# Allegro board LAY-27392_C.brd (continued)
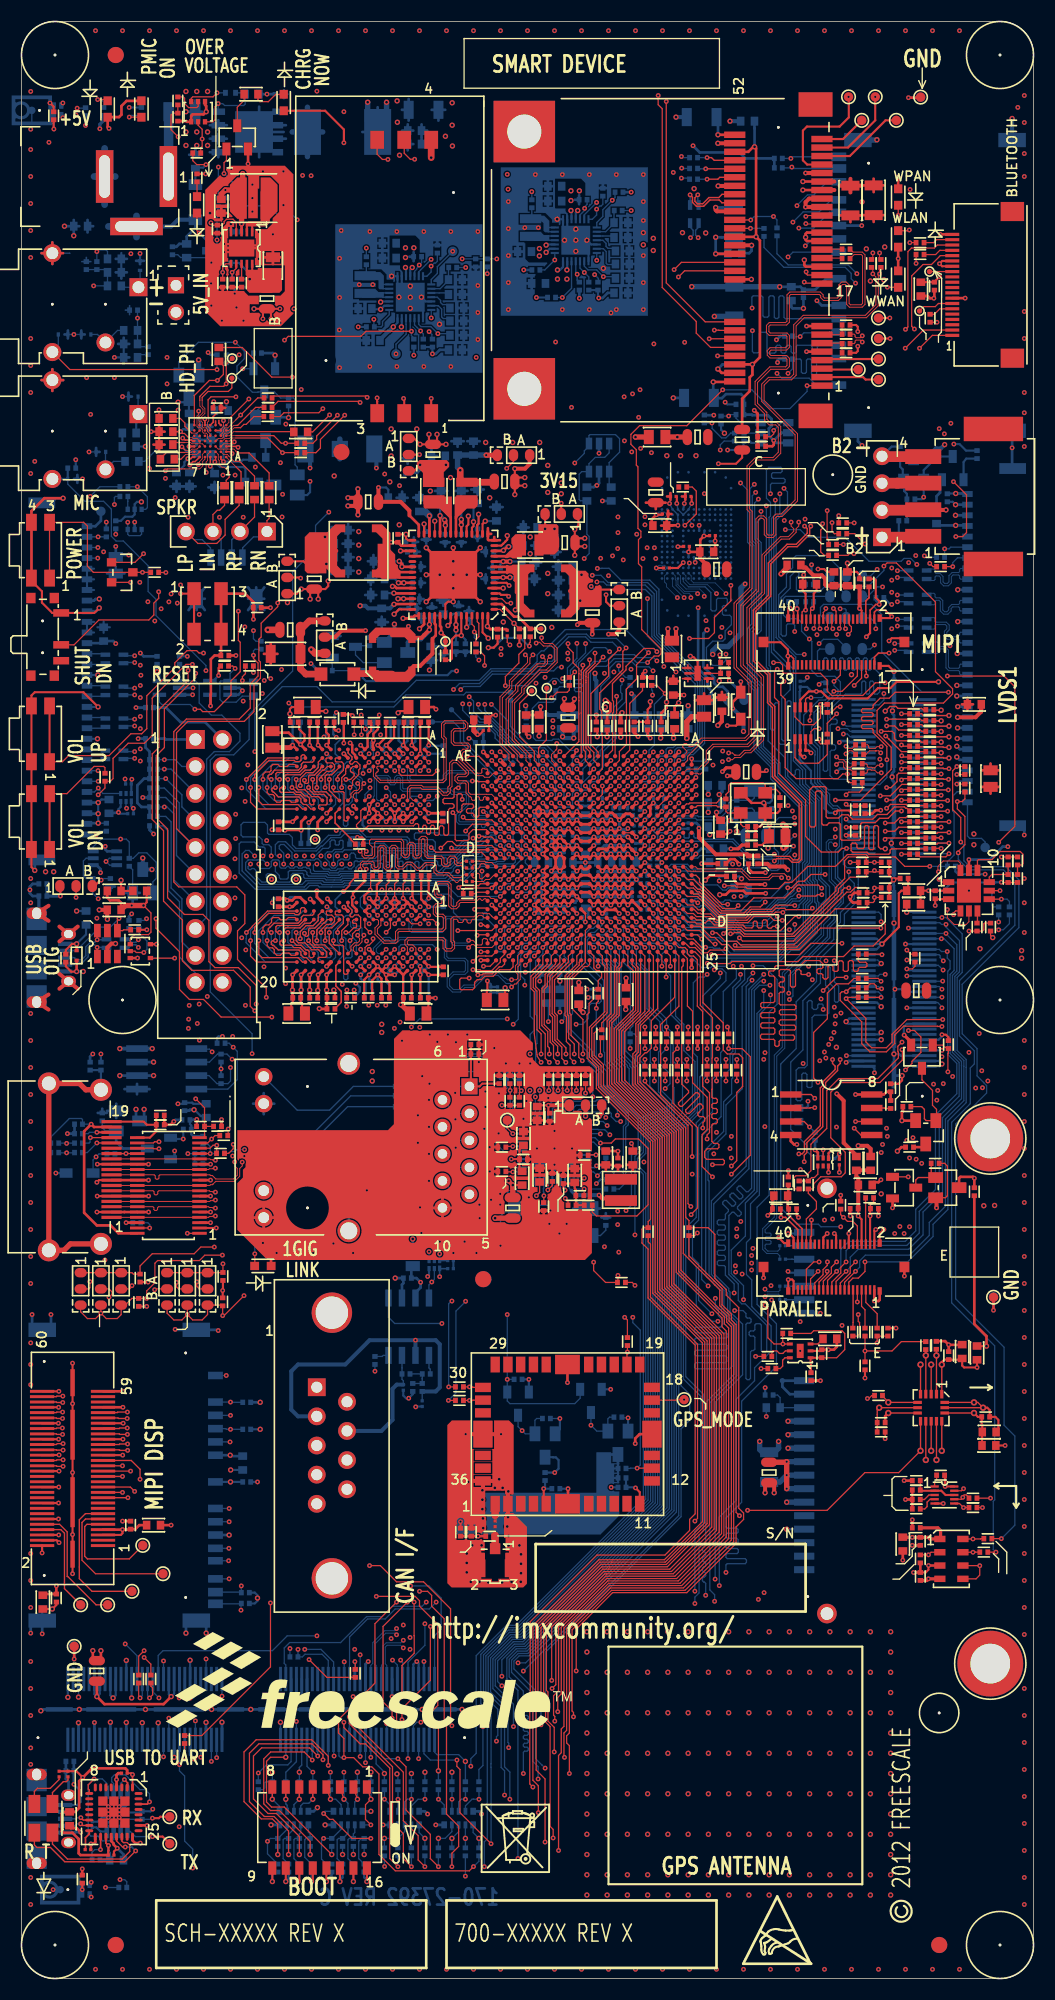
[diagram p0: board, top side]
## Routing (per net, layer and track width the routed paths; a pad name or vN(x,y) marks a point on that pad's centre or on a via; arc(x,y) is an arc through that point) (continued)
GND_ANALOG: length 87.8
  TOP w0.076: 17.39,141.86 17.39,142.68 17.53,142.83 17.53,143.4 U7.B4
  TOP w0.119: v1(17.4,141.71) 17.39,141.72 17.39,141.86
  TOP w0.152: U7.B1 19.67,143.65 v1(19.84,143.48) ; U7.C1 20.31,144.15 v1(20.4,144.07) ; v1(15.19,144.93) 15.42,144.75 16.01,144.75 16.11,144.65 U7.D7
  TOP w0.203: C17.2 C15.2 v1(12.22,145.54) ; U7.C7 v1(15.78,144.15)
  TOP w0.254: 1.91,162.33 J2.5 ; J2.5 3.94,162.33 ; J2.5 2.92,161.31 ; J2.5 2.92,163.35 ; 1.91,150.39 J4.5 ; J4.5 3.94,150.39 ; J4.5 2.92,151.41 ; J4.5 2.92,149.38 ; 13.49,145.54 C15.2 12.96,146.13 ; 12.96,143.74 C17.2 ; C17.2 13.49,144.32 ; C17.2 12.44,144.32
  L2_GND_1 w0.254: J4.5 3.94,150.39 ; J4.5 2.92,151.41 ; J4.5 1.91,150.39 ; J4.5 2.92,149.38 ; 1.91,162.33 J2.5 ; J2.5 2.92,163.35 ; J2.5 2.92,161.31 ; J2.5 3.94,162.33
  L3_INT_1 w0.254: J2.5 2.92,163.35 ; J2.5 2.92,161.31 ; J2.5 3.94,162.33 ; J4.5 2.92,151.41 ; J4.5 3.94,150.39 ; J4.5 2.92,149.38
  L7_GND_2 w0.254: J4.5 2.92,151.41 ; J4.5 3.94,150.39 ; J4.5 2.92,149.38 ; J4.5 1.91,150.39 ; 1.91,162.33 J2.5 ; J2.5 2.92,161.31 ; J2.5 3.94,162.33 ; J2.5 2.92,163.35
  BOTTOM w0.119: TVS504.1 v1(6.38,143.64) ; TVS501.1 v1(4.95,154.69) TVS502.1 ; TVS503.1 v1(9.53,148.84)
  BOTTOM w0.127: J2.5 4.55,162.33 4.58,162.31
  BOTTOM w0.152: 9.8,156.97 R541.2 ; R541.2 10.19,156.55 ; R541.2 10.19,157.39 ; 5.7,161.54 R526.2 ; R526.2 6.12,161.93 ; R526.2 6.54,161.54
  BOTTOM w0.203: R529.2 R525.2 9.41,162.36 ; TVS505.1 v1(5.77,141.1) ; TVS500.1 v1(11.17,162.3) ; v1(8.76,152.53) R552.2 R545.2
  BOTTOM w0.254: TVS503.1 10.09,149.21 ; TVS503.1 10.41,148.84 ; TVS503.1 10.09,148.47 ; 14.02,140.4 C548.2 ; C548.2 14.61,140.92 ; C548.2 15.19,140.4 ; C548.2 14.61,139.88 ; 9.12,153.8 R545.2 ; R545.2 9.64,154.38 ; R545.2 10.16,153.8 ; 9.41,159.94 R529.2 ; R529.2 9.93,160.53 ; R529.2 8.89,160.53 ; 4.39,154.32 TVS502.1 ; TVS502.1 4.07,154.69 ; TVS502.1 4.39,155.05 ; 17.99,146 C540.2 17.6,145.58 ; TVS504.1 7.04,144.01 ; TVS504.1 7.36,143.64 ; TVS504.1 7.04,143.27 ; 15.82,139.88 C547.2 ; C547.2 16.41,140.4 ; C547.2 15.24,140.4 ; C547.2 15.82,140.92 ; C542.2 18.42,144.77 ; C542.2 17.83,145.29 ; C542.2 17.83,144.25 ; C542.2 17.25,144.77 ; 19.05,145.01 C541.2 ; C541.2 18.47,145.53 ; C541.2 19.05,146.05 ; C541.2 19.63,145.53 ; TVS505.1 5.28,141.47 ; TVS505.1 4.96,141.1 ; TVS505.1 5.28,140.73 ; J4.5 2.92,151.41 ; J4.5 2.92,149.38 ; J4.5 1.91,150.39 ; J4.5 3.94,150.39 ; 11.17,161.3 TVS500.1 ; TVS500.1 11.54,161.62 ; TVS500.1 10.81,161.62 ; TVS501.1 5.65,155.05 ; TVS501.1 5.96,154.69 ; TVS501.1 5.65,154.32 ; C549.2 18.77,140.29 ; C549.2 17.6,140.29 ; C549.2 18.19,139.77 ; C549.2 18.19,140.82 ; C543.2 17.07,144.77 ; C543.2 16.48,144.25 ; C543.2 16.48,145.29 ; 9.64,151.94 R552.2 10.16,152.53 ; L501.2 5.46,164.87 ; L501.2 v2(4.06,164.87) ; L501.2 v2(4.94,163.97) ; L501.2 4.94,165.46 ; 9.93,161.8 R525.2 8.89,161.8 ; 1.91,162.33 J2.5 ; J2.5 2.92,161.31 ; J2.5 2.92,163.35
  vias: v1(0.89,164.47) v1(0.89,161.93) v1(0.89,154.31) v1(0.89,151.77) v1(0.89,149.23) v1(0.89,141.61) v1(1.27,142.75) v1(6.15,150.62) v1(6.53,147.17) v1(8.76,150.62) v1(10.31,162.28) v1(13.56,141.15) v1(13.72,152.53) v1(13.72,150.04) v1(14.48,139.34) v1(14.76,147.57) v1(15.7,137.49) v1(18.64,137.49) v1(18.97,141.45) v1(20.12,141.45) v1(20.88,137.49) v1(22.02,142.21) v1(24.38,142.62) v1(24.59,139.65) v1(24.54,137.52) v2(12.04,142.06)
P1V2_SW1: length 10.4
  TOP w0.203: SH13.3 54.23,130.68
  BOTTOM w0.254: C581.1 51.94,131.57 v2(52.7,132.08) 52.2,132.59 52.08,132.59 C574.1 C581.1 ; C581.1 C583.1 ; C583.1 C591.1 51.88,128.78 52.51,129.54 v2(52.58,129.64) 51.94,130.18 C583.1
P1V2_SW1C: length 3.1
  TOP w0.203: SH10.3 v2(49.28,136.4)
  BOTTOM w0.203: C567.1 v2(50.16,136.4) ; v2(49.28,136.4) 48.66,136.4 C559.1
P1V8_SW4: length 9.6
  TOP w0.508: SH6.3 v1(43.74,143.33)
  TOP w0.635: SH7.2 44.44,140.78 L3.2 41.43,140.78 41.3,140.91 v2(41.3,141.91)
  BOTTOM w0.508: v1(43.74,143.33) 43.73,143.34 C546.1 C555.1 41.05,142.19 41.3,141.94 v2(41.3,141.91)
P3V3_LICELL: length 32.1
  TOP w0.203: U8.42 35.53,128.82 v2(35.08,128.37)
  L3_INT_1 w0.254: v1(33.41,142.12) 35.4,142.12 36.02,141.5 36.7,141.5 37.2,141.01 37.2,136.72 37.41,136.5 37.41,129.67 36.86,129.11 35.82,129.11 v2(35.08,128.37)
  L6_INT_2 w0.381: v1(27.17,142.12) 32.74,142.12 v1(33.41,142.12)
  BOTTOM w0.203: C590.1 35.61,128.91 v2(35.08,128.37)
  BOTTOM w0.381: BT500.1 33.41,143.57 v1(33.41,142.12) ; BT500.2 26.73,143.91 27.17,143.47 v1(27.17,142.12)
P3V3_SW2: length 3.8
  TOP w0.203: v2(37.52,142.42) 36.96,141.86 SH4.3
  BOTTOM w0.203: C544.1 39.95,143.19 v2(39.95,142.42)
  BOTTOM w0.381: v2(37.52,142.42) 37.52,142.04 37.22,141.74 C545.1
VDD_ARM_CAP: length 25.7
  TOP w0.254: U1.J11 v1(56.27,107.41) U1.K11 v1(55.47,107.41) U1.L11 v1(54.67,107.41) U1.M11 v1(53.87,107.41) U1.N11 U1.P11 v1(52.27,107.41) U1.R11 ; U1.R13 v1(52.27,105.81) U1.P13 52.82,105.56 53.31,105.56 U1.N13 v1(53.87,105.81) U1.M13 v1(54.67,105.81) U1.L13 v1(55.47,105.81) U1.K13 v1(56.27,105.81) U1.J13 v1(57.07,105.81) U1.H13 ; U1.H11 v1(57.07,107.41)
  BOTTOM w0.305: C677.1 52.18,105.89 v1(52.27,105.81) ; C663.1 52.2,107.48 v1(52.27,107.41) 52.41,107.27 52.9,107.27 C669.1 53.25,107.27 53.72,107.27 v1(53.87,107.41) v1(54.67,107.41) 54.8,107.54 C660.1 55.33,107.54 v1(55.47,107.41) 55.6,107.54 C659.1 56.13,107.54 v1(56.27,107.41) 56.4,107.54 C658.1 56.93,107.54 v1(57.07,107.41) ; C679.1 55.47,105.11 v1(55.47,105.81) ; v1(55.47,105.81) 55.19,106.09 C672.1 54.95,106.09 v1(54.67,105.81) v1(53.87,105.81) ; v1(55.47,105.81) 55.75,106.09 C671.1 55.99,106.09 v1(56.27,105.81) 56.55,106.09 C670.1 56.79,106.09 v1(57.07,105.81)
VDD_SNVS_CAP: length 2.3
  TOP w0.178: v1(58.67,109.01) U1.G9
  TOP w0.254: C54.1 66.41,107.68 v1(66.67,107.95)
  BOTTOM w0.305: C634.1 v1(58.67,109.01)
VDDCORE: length 31.4
  TOP w0.254: U1.N14 53.25,104.39 52.88,104.39 U1.P14 v1(52.27,104.21) U1.R14 ; U1.K9 v1(55.47,109.01) U1.L9 v1(54.67,109.01) 54.27,108.61 U1.M9 v1(53.87,109.01) U1.N9 U1.P9 52.67,108.61 v1(52.27,109.01) U1.R9 v1(51.47,109.01) U1.T9 v1(50.67,109.01) 50.27,108.61 U1.U9 v1(49.87,109.01) ; v1(57.87,104.21) U1.H14 v1(57.07,104.21) U1.J14 v1(56.27,104.21) U1.K14 v1(55.47,104.21) U1.L14 v1(54.67,104.21) U1.M14
  TOP w0.381: v1(55.24,126.49) 55.88,126.49 56.26,126.87 SH13.1 ; v1(52.32,127.38) 52.5,127.56 R27.2 v1(53.72,126.49)
  BOTTOM w0.305: v1(52.27,104.21) 52.13,104.08 C690.1 ; v1(55.47,109.01) 55.33,109.14 C643.1 54.8,109.14 v1(54.67,109.01) v1(53.87,109.01) 53.4,109.48 C649.1 52.73,109.48 v1(52.27,109.01) 52.13,109.14 C644.1 51.6,109.14 v1(51.47,109.01) 51.33,109.14 C645.1 50.8,109.14 v1(50.67,109.01) 50.53,109.14 C646.1 50,109.14 v1(49.87,109.01) ; C686.1 56.32,104.16 v1(56.27,104.21) 56.21,104.16 C687.1 55.52,104.16 v1(55.47,104.21) 55.41,104.16 C688.1 54.72,104.16 v1(54.67,104.21) 54.61,104.16 C689.1 ; C686.1 56.67,104.5 56.56,104.6 C680.1 ; C686.1 57.01,104.16 v1(57.07,104.21) 57.12,104.16 C685.1 57.81,104.16 v1(57.87,104.21)
VDDCORE_FB: length 13
  TOP w0.203: v1(55.02,130.2) 55.02,129.54 55.4,129.16 SH13.2 ; v1(45.9,131.06) 45.64,131.32 U8.6
  L6_INT_2 w0.203: v1(45.9,131.06) 48.46,131.06 48.77,130.76 52.93,130.76 53.49,130.2 v1(55.02,130.2)
VDDHIGH_IN: length 12.2
  TOP w0.203: D10.A 67.69,118.34 67.23,117.88 v1(66.42,117.88)
  TOP w0.254: U1.H9 57.47,108.61 v1(57.11,108.97) 57.02,108.97 U1.J9
  TOP w0.305: v1(65.96,113.56) 66.32,113.92 67.06,113.92 67.23,113.74 SH17.2 67.23,113.33 67.06,113.16 v1(66.42,113.16)
  L5_PWR_2 w0.254: v1(66.42,117.88) 66.42,117.86 67.06,117.22 67.06,114.48 66.48,113.9 66.31,113.9 v1(65.96,113.56)
  BOTTOM w0.254: C652.1 57.62,108.46 v1(57.11,108.97)
  BOTTOM w0.381: C623.1 v2(64.63,111.42)
VDDHIGH_VPH: length 4.4
  TOP w0.119: U1.J10 U1.H10
  TOP w0.254: U1.H10 v1(57.87,107.41)
  BOTTOM w0.254: v2(67.31,107.95) C648.1 ; C655.1 57.63,107.65 v1(57.87,107.41)
  BOTTOM w0.305: v2(64.77,107.63) 64.63,107.77 C654.1
  BOTTOM w0.381: v2(67.31,107.95) 67.51,107.75 67.89,107.75 68.12,107.52 SH503.1
VDDPU: length 11.9
  TOP w0.254: U1.P17 U1.N17 v1(53.87,101.81) 54.27,102.21 U1.M17 v1(54.67,101.81) 55.07,102.21 U1.L17 v1(55.47,101.81) 55.87,102.21 U1.K17 v1(56.27,101.81) U1.J17 v1(57.07,101.81) 57.47,102.21 U1.H17
  TOP w0.381: v2(56.9,94.13) C68.1
  BOTTOM w0.305: C716.1 53.23,101.85 53.82,101.85 v1(53.87,101.81) 53.87,101.8 C714.1 54.66,101.8 v1(54.67,101.81) 54.67,101.8 C713.1 55.46,101.8 v1(55.47,101.81) 55.47,101.8 C712.1 56.26,101.8 v1(56.27,101.81) 56.27,101.8 C711.1 57.06,101.8 v1(57.07,101.81) 57.07,101.8 C710.1
VDDSOC: length 36.7
  TOP w0.203: SH10.1 52.41,137.71 52.41,136.69 v2(52.07,136.35) 52.07,135.13 ; 52.07,135.13 52.45,135.51 v2(53.01,135.51) ; 52.07,135.13 v2(52.07,133.91) ; 52.07,135.13 R21.2 52.45,134.75 v2(53.01,134.75)
  TOP w0.254: v2(48.72,116.91) C40.1 ; U1.H16 v1(57.07,102.61) U1.J16 v1(56.27,102.61) U1.K16 v1(55.47,102.61) U1.L16 v1(54.67,102.61) U1.M16 v1(53.87,102.61) U1.N16 U1.P16 52.27,102.61 v1(52.27,102.61) U1.R16 v1(51.47,102.61) U1.T16 v1(50.67,102.61) U1.U16 v1(49.87,102.61)
  BOTTOM w0.203: v1(40.95,123.03) 40.5,123.03 40.1,122.63 36.96,122.63 36.4,122.07 32.44,122.07 32.12,122.38 R632.1
  BOTTOM w0.254: v2(48.72,116.91) 48.72,117.63 48.72,117.64 C604.1
  BOTTOM w0.305: C698.1 57.15,102.53 v1(57.07,102.61) 56.99,102.53 C701.1 56.35,102.53 v1(56.27,102.61) 56.19,102.53 C702.1 55.55,102.53 v1(55.47,102.61) 55.39,102.53 C703.1 54.75,102.53 v1(54.67,102.61) 54.59,102.53 C704.1 53.95,102.53 v1(53.87,102.61) 53.48,102.99 C694.1 52.65,102.99 v1(52.27,102.61) 52.13,102.48 C705.1 51.6,102.48 v1(51.47,102.61) 51.33,102.48 C706.1 50.8,102.48 v1(50.67,102.61) 50.53,102.48 C707.1 50,102.48 v1(49.87,102.61)
VDDSOC_CAP: length 18
  TOP w0.254: U1.U13 v1(50.67,105.81) U1.T13 U1.T14 v1(50.67,104.21) U1.U14 ; U1.U13 v1(49.87,105.81) ; U1.U13 U1.U14 ; v1(49.87,108.21) U1.U10 v1(50.67,108.21) U1.T10 v1(51.47,108.21) U1.R10 ; U1.N12 53.47,106.22 v1(53.86,106.61) ; U1.U14 v1(49.87,104.21)
  BOTTOM w0.305: C674.1 50.8,105.94 v1(50.67,105.81) ; v1(50.67,104.21) 50.67,104.95 C682.1 50.67,105.07 v1(50.67,105.81) ; v1(50.67,104.21) 50.8,104.08 C691.1 ; v1(50.67,104.21) 50.53,104.08 C692.1 50,104.08 v1(49.87,104.21) ; v1(50.67,105.81) 50.53,105.94 C676.1 50,105.94 v1(49.87,105.81) ; C667.1 54.11,106.86 v1(53.86,106.61) ; v1(49.87,108.21) 49.97,108.1 C656.1 50.56,108.1 v1(50.67,108.21) 50.8,108.08 C661.1 51.33,108.08 v1(51.47,108.21)
  BOTTOM w0.381: C611.1 51.97,117.49 v2(51.97,116.71) 51.05,116.71 v2(50.93,116.84) 50.93,117.46 C612.1
VDDSOC_FB: length 9.2
  TOP w0.203: v2(45.72,135.76) 45.72,135.38 45.53,135.19 45.53,135.19 45.34,134.99 45.33,134.99 45.16,134.82 U8.13 ; SH10.2 v1(50.8,138.81)
  L3_INT_1 w0.254: v2(45.72,135.76) 48.77,138.81 v1(50.8,138.81)
VDDSOC_VP: length 8.3
  TOP w0.203: R48.1 R49.1 58.93,119.41 59.18,119.66 v2(59.18,120.14)
  TOP w0.254: v1(67.53,104.85) 67.38,105 67.38,105.05 67.11,105.32 66.7,105.32 R96.1 ; v2(51.09,120.42) 51.06,120.38 51.06,119.99 SH16.2 52.04,120.21 v2(52.04,120.4) ; L13.1 61.47,119.65 v2(61.85,120.04)
VDDUSB: length 2.1
  TOP w0.305: v1(59.47,109.01) U1.F9
  BOTTOM w0.305: C633.1 59.77,109.31 v1(59.47,109.01) ; v2(64.63,109.73) C627.1
A2D_TP_VDD: length 12.8
  TOP w0.119: v1(92.2,103.15) 92.22,103.13 R101.1 R102.1
  TOP w0.203: v1(85.34,102.36) 85.5,102.36 ; 85.5,102.36 C63.1 86.48,102.36 86.49,102.36 U11.2 ; 85.5,102.36 85.49,102.36 L14.2 C65.1
  BOTTOM w0.203: v1(85.34,102.36) 86.74,102.36 87.52,103.13 91.65,103.13 91.67,103.15 v1(92.2,103.15)
ACC_1V8: length 21.7
  TOP w0.127: R196.1 v1(81.27,50.81) ; U18.1 v3(86.6,57.78)
  TOP w0.203: v3(86.6,57.78) 86.6,58.01 86.83,58.25 C109.1 87.51,58.24 88.52,58.24 ; 88.52,58.24 88.52,57.68 88.7,57.51 v1(89.92,57.51) L20.2 ; 88.52,58.24 C107.1
  L3_INT_1 w0.203: v1(81.27,50.81) 82.19,51.73 82.19,56.64 84.89,59.33 86.36,59.33 86.64,59.05 86.64,57.82 v3(86.6,57.78)
ACC_3V3: length 6.4
  TOP w0.127: U18.14 v3(89.63,53.22)
  TOP w0.203: L21.2 90.38,51.41 C111.1 90.41,52.08 90.35,52.14 C110.1 89.99,52.86 v3(89.63,53.22)
ACC_SCK: length 4.2
  TOP w0.119: v3(85.1,58.63) 85.1,59.18 R187.2
  TOP w0.127: U18.4 v3(85.1,58.63)
ACC_SDA: length 3.6
  TOP w0.119: R193.2 81.02,54.82 81.57,54.27 v3(81.57,54.22)
  TOP w0.127: U18.6 v3(81.57,54.22)
ACCL_A0: length 6
  TOP w0.127: U18.7 v3(80.71,53.72) 80.52,53.53 R195.1 R196.2
ACCL_BYP: length 4.2
  TOP w0.119: v3(86.1,58.63) 86.1,59.2 C106.1
  TOP w0.127: U18.2 v3(86.1,58.63)
ACCL_INT_IN: length 87.9
  TOP w0.119: v3(84.6,49.67) 82.54,47.61 79.36,47.61 75.82,44.07 v1(68.33,44.07) ; U1.B21 62.67,98.61 63.82,98.61 65.1,97.34 v1(65.29,97.34)
  TOP w0.127: U18.11 v3(85.6,49.67) ; U18.9 v3(84.6,49.67)
  L3_INT_1 w0.114: v3(84.6,49.67) v3(85.6,49.67) ; v1(65.29,97.34) 65.29,96.58 65.79,96.07 65.79,95.45 66.37,94.87 66.37,93.63 69.11,90.89 69.11,89.11 70.57,87.65 70.57,86.87 70.36,86.66 70.36,85.9 69.82,85.37 69.82,83.89 69.82,83.48 67.44,81.09 67.44,74.68 65.15,72.39 65.15,65.66 65.92,64.89 65.92,61.72 66.42,61.21 66.42,50.42 67.44,49.4 67.44,44.96 v1(68.33,44.07)
ADCDAT1: length 7.6
  TOP w0.076: U7.D2 18.92,144.65 19.17,144.9 19.59,144.9 19.86,145.17 20.19,145.17
  TOP w0.119: R16.2 v1(24.87,144.45) 24.47,144.45 23.75,145.17 20.19,145.17
ALS_3V3: length 11.8
  TOP w0.119: R184.1 74.3,60.71 74.55,60.96 77.22,60.96 77.47,60.71 77.47,59.18 76.71,58.42 75.32,58.42 C108.1
  TOP w0.203: C108.1 74.83,58.43 74.82,58.41 U17.1 74.25,57.92 74.29,57.89 74.29,57.02 R191.2
ALS_INT: length 20.8
  TOP w0.119: v1(69.98,63.37) 70.24,63.11 70.24,60.3 70.82,59.71 v1(71.65,59.71) 71.63,59.73 R184.2 ; v1(57.73,65.23) 57.48,65.51 R171.1
  TOP w0.127: U17.4 v1(71.65,59.71)
  L6_INT_2 w0.114: v1(57.73,65.23) 63.75,65.23 64.36,64.62 66.4,64.62 66.7,64.92 68.43,64.92 v1(69.98,63.37)
ALS_REXT: length 1.4
  TOP w0.127: R185.1 74.94,59.71 U17.3
ALS_SCK: length 2.3
  TOP w0.119: U17.5 71.88,59.06 71.64,58.83 71.32,58.83 71.08,59.06 70.72,59.06 70.61,58.95 70.61,58.55 R188.2
ALS_SDA: length 2.1
  TOP w0.127: R190.2 71.41,57.4 71.63,57.62 71.63,58.19 71.85,58.41 U17.6
AUD3_RXD: length 69.7
  TOP w0.119: v1(29.74,147.09) 27.79,145.14 27.79,144.81 27.43,144.45 R16.1
  TOP w0.178: v1(53.87,113.81) U1.N3
  L3_INT_1 w0.114: v1(53.87,113.81) 54.22,114.16 54.22,115.13 54.66,115.57 54.66,117.25 55.66,118.25 55.66,119.42 56.64,120.4 56.64,121.03 58.06,122.45 58.06,123.95 58.27,124.15 58.27,130.6 57.45,131.41 57.45,133.14 57.45,135.99 57.91,136.45 57.91,137.62 58.27,137.97 59.21,137.97 59.54,138.3 59.54,142.8 59.28,143.05 v1(59.28,143.56)
  L6_INT_2 w0.114: v1(29.74,147.09) 30.2,147.55 30.59,147.55 31.66,146.48 39.01,146.48 40.21,145.29 54.89,145.29 55.93,144.25 57.4,144.25 58.09,143.56 v1(59.28,143.56)
AUD3_TXC: length 66.9
  TOP w0.119: v1(29.01,147.12) 27.41,145.52 R14.1 ; U1.N1 53.47,115.44 53.12,115.79 53.12,121.96 53.12,122.5 53.12,122.5 53.12,122.9 53.97,123.76 v1(53.97,124.71)
  L3_INT_1 w0.114: v1(56.74,144.68) 56.74,139.12 55.02,137.39 55.02,132.65 54.54,132.16 54.54,126.78 54.31,126.54 54.31,125.48 53.97,125.15 v1(53.97,124.71)
  L6_INT_2 w0.114: v1(56.74,144.68) 56.13,144.68 55.27,145.54 40.51,145.54 38.67,147.37 38.04,147.37 37.92,147.26 37.92,147.1 37.81,146.99 37.58,146.99 37.47,147.1 37.47,147.26 37.35,147.37 37.12,147.37 37.01,147.26 37.01,147.1 36.9,146.99 36.67,146.99 36.55,147.1 36.55,147.26 36.44,147.37 36.21,147.37 36.1,147.26 36.1,147.1 35.98,146.99 35.75,146.99 35.64,147.1 35.64,147.26 35.52,147.37 35.3,147.37 35.18,147.26 35.18,147.1 35.07,146.99 34.84,146.99 34.72,147.1 34.72,147.26 34.61,147.37 34.38,147.37 34.27,147.26 34.27,147.1 34.15,146.99 33.92,146.99 33.81,147.1 33.81,147.26 33.7,147.37 33.47,147.37 33.35,147.26 33.35,147.1 33.24,146.99 33.01,146.99 32.9,147.1 32.9,147.26 32.78,147.37 32.55,147.37 32.44,147.26 32.44,147.1 32.32,146.99 32.1,146.99 31.98,147.1 31.98,147.26 31.87,147.37 31.35,147.37 30.93,147.79 29.68,147.79 v1(29.01,147.12)
AUD3_TXD: length 69
  TOP w0.119: R18.1 27.71,143.56 28.14,143.99 28.14,144.81 v1(30.43,147.09)
  TOP w0.178: U1.P2 v1(52.27,114.61)
  L3_INT_1 w0.114: v1(57.43,143.64) 57.43,138.63 56.81,138.01 56.81,134.2 56.25,133.64 56.25,132.76 56.5,132.51 56.5,131.04 57.4,130.14 57.4,124.83 56.59,124.02 56.59,123.19 55.88,122.48 55.68,122.48 53.2,120 53.2,118.2 52.91,117.91 52.91,116.31 53.35,115.87 53.35,114.76 53.2,114.61 v1(52.27,114.61)
  L6_INT_2 w0.114: v1(30.43,147.09) 31.31,146.22 38.9,146.22 40.08,145.03 49.55,145.03 49.67,144.92 49.67,144.82 49.78,144.7 50.01,144.7 50.12,144.82 50.12,144.92 50.24,145.03 50.47,145.03 50.58,144.92 50.58,144.82 50.7,144.7 50.92,144.7 51.04,144.82 51.04,144.92 51.15,145.03 51.38,145.03 51.5,144.92 51.5,144.82 51.61,144.7 51.84,144.7 51.95,144.82 51.95,144.92 52.07,145.03 54.36,145.03 55.75,143.64 v1(57.43,143.64)
AUD3_TXFS: length 71.4
  TOP w0.119: R13.1 24.36,146.96 24.71,147.32 27.99,147.32 v1(28.37,147.7)
  TOP w0.178: v1(53.87,113.01) U1.N4
  L3_INT_1 w0.114: v1(58.27,143.97) 58.27,142.77 57.99,142.49 57.99,138.18 57.24,137.43 57.24,133.23 57.24,131.32 58.05,130.51 58.05,124.29 57.84,124.09 57.84,122.54 56.43,121.12 56.43,120.49 55.45,119.51 55.45,118.68 53.78,117.01 53.78,116.8 53.77,116.79 53.77,116.37 54,116.14 54,114.49 53.48,113.97 53.48,113.4 v1(53.87,113.01)
  L6_INT_2 w0.114: v1(58.27,143.97) 57.68,144.55 57.48,144.55 56.21,145.82 41.09,145.82 39.14,147.77 31.41,147.77 31.12,148.07 28.74,148.07 v1(28.37,147.7)
AUD_1V8: length 208.7
  TOP w0.076: 15.37,143.87 15.45,143.78 15.95,143.78 16.07,143.9 16.53,143.9 U7.C6
  TOP w0.119: 15.37,143.87 v1(15.11,144.12)
  TOP w0.152: U7.G3 18.28,146.55 ; U7.G4 17.78,146.15 18.06,146.43 18.06,146.96 18.34,147.24 ; 18.59,146.61 18.59,146.33 18.77,146.15 U7.G2
  TOP w0.203: v1(5.73,8.38) 5.73,8.99 C128.1 ; C1.1 3.05,176.12 v1(2.7,176.46)
  TOP w0.254: C13.1 18.79,148.2 ; C13.1 19.18,147.78 ; C13.1 18.79,147.36
  L3_INT_1 w0.381: v2(11.3,138.94) 10.67,139.57 7.34,139.57 6.37,140.54 5.39,140.54 5.31,140.61 1.7,144.22 1.7,149.53 1.7,149.56 1.7,149.57 1.7,152.17 1.7,152.2 1.7,152.2 1.7,161.47 1.7,161.5 1.7,161.5 1.7,171.06 5.94,175.3 5.94,176.53 5.44,177.04 3.28,177.04 2.7,176.47 v1(2.7,176.46)
  L3_INT_1 w0.508: v2(11.3,138.94) 11.3,138.1 7.7,138.1 3.94,134.34 3.94,104.17 3.11,103.34 3.11,102.11 3.1,102.1 3.1,99.25 2.29,98.44 2.29,93.5 3.66,92.13 3.66,86.74 4.34,86.06 4.34,82.25 3.38,81.28 3.38,77.06 4.06,76.38 4.06,67.56 3.91,67.41 3.91,57 2.03,55.12 2.03,41.63 4.14,39.52 4.14,34.37 3.3,33.52 3.3,18.54 2.29,17.53 2.29,12.9 5.73,9.45 v1(5.73,8.38)
  BOTTOM w0.203: C543.1 16.34,143.61 15.62,143.61 15.44,143.8 v1(15.11,144.12) ; v2(11.3,138.94) 10.89,138.94 10.67,138.72 U510.5 10.67,137.75 10.45,137.54 9.76,137.54 9.37,137.15 C558.1 ; v2(19.3,148.36) 19.3,147.59 C539.1 ; U521.2 v1(5.73,8.38) U521.4 ; L506.1 15.77,147.28 Q505.3 15.43,148.31 v2(14.76,148.31)
  BOTTOM w0.381: v1(2.7,176.46) 2.71,176.46 U501.4
AUD_3V3: length 23.2
  TOP w0.152: U7.A3 18.28,142.77 v1(18.21,142.7)
  L6_INT_2 w0.254: v1(18.21,142.7) 18.55,142.36 18.55,141.9 17.09,140.44 12.19,140.44 9.07,143.56 7.26,143.56 6.6,142.9 v1(5.12,142.9)
  BOTTOM w0.203: C542.1 17.99,143.31 17.99,142.92 v1(18.21,142.7) 18.69,142.21 20.93,142.21 21.09,142.05 L510.2 ; R568.1 v1(5.12,142.9)
AUD_FB: length 9.8
  TOP w0.119: SH6.2 46.3,142.72 v1(45.67,142.09)
  TOP w0.203: U8.19 41.9,136.64 42.06,136.8 v2(42.06,137.59)
  L3_INT_1 w0.114: v1(45.67,142.09) 44.68,142.09 42.06,139.47 v2(42.06,137.59)
AUD_MCLK: length 162
  TOP w0.119: v1(82.85,88.11) 82.46,87.72 82.46,87.22 82.52,87.17 82.52,86.63 80.57,84.68 76.91,84.68 75.78,83.55 75.78,80 74.29,78.5 74.29,76.01 73.81,75.54 72.87,75.54 72.64,75.31 72.64,74.39 72.74,74.3 R158.1 ; v1(25.5,150.67) 23.57,150.67 20.79,153.46 R10.1
  L6_INT_2 w0.114: v1(82.85,88.11) 82.47,87.73 82.47,87.24 82.7,87.01 83.76,87.01 85.12,88.37 86.79,88.37 88.91,90.49 88.91,93.35 89.36,93.8 89.36,93.98 90.2,94.82 90.2,94.97 92.7,97.48 92.7,97.78 92.7,99.8 92.6,99.9 92.6,105.84 92.38,106.06 92.38,107.11 91.78,107.71 91.78,107.97 91.78,123.24 90.44,124.58 90.44,125.72 89.85,126.31 89.85,139.53 84.28,145.11 74.45,145.11 73.15,143.81 67.34,143.81 66.67,144.48 65.86,144.48 65.3,143.92 60.58,143.92 59.79,143.12 53.95,143.12 53.16,143.92 39.01,143.92 37.67,145.26 34.67,145.26 34.12,145.81 31.36,145.81 30.68,146.48 28.55,146.48 25.5,149.53 v1(25.5,150.67)
AUD_PWR_ON: length 27.5
  BOTTOM w0.119: Q505.1 14.82,152.11 16.66,153.95 v1(20.14,153.95) 20.98,153.11 20.98,152.4 20.29,151.71 20.29,150.7 21.74,149.25 22.27,149.25 22.29,149.28 Q504.3 ; Q504.3 23.83,149.28 24.39,148.71 R557.2 25.15,148.72 25.6,148.72 25.76,148.56 25.76,142.42 25.97,142.21 Q509.1 ; Q504.3 22.86,148.21 22.04,147.39 Q506.1
AUDIO_CLK: length 7.7
  TOP w0.119: R10.2 19.01,151.74 19.01,150.92 v1(18.45,150.36) 17.7,150.36 16.28,148.95 16.28,146.48 16.28,146.48 U7.G7
AUX_3V15: length 100.4
  TOP w0.119: v2(91.39,97.94) 91.19,98.15 R111.1
  TOP w0.203: C60.1 83.43,102.5 L14.1 82.8,102.36 82.56,102.12 82.56,98.93 v2(80.97,97.34) ; v2(46.43,139.62) SH7.1 ; SH7.1 46.81,141.22 v2(47.37,141.22) ; SH7.1 46.81,140.46 v2(47.37,140.46) ; SH7.1 v2(46.43,142.06) ; v2(43.02,137.77) 43.02,136.89 42.9,136.76 U8.17
  TOP w0.381: v2(46.43,142.06) 47.4,142.06 47.83,142.49 SH6.1
  TOP w0.508: R17.1 v2(57.78,145.03)
  L3_INT_1 w0.381: v1(27.25,123.72) 26.24,124.74 26.24,128.01 27.13,128.91 28.12,128.91 30.48,131.27 31.85,131.27 35.37,134.79 35.37,136.06 34.91,136.51 34.91,137.1 35.59,137.77 v1(35.59,140.46)
  L6_INT_2 w0.203: v2(57.78,145.03) 60.1,145.03 60.81,144.32 65,144.32 65.56,144.88 70.27,144.88 70.61,145.22 73.82,145.22 74.02,145.42 84.68,145.42 85.22,144.88 87.22,144.88 v1(87.73,144.37)
  L6_INT_2 w0.381: v1(35.59,140.46) 36.83,140.46 37.29,140.92 38.96,140.92 39.57,140.31 41.73,140.31 42.29,140.87 45.24,140.87 v2(46.43,142.06)
  BOTTOM w0.119: R668.1 56.57,52.77 v1(57.08,52.77) ; J504.5 v1(77.63,86.84) ; J508.5 v2(5.38,26.49)
  BOTTOM w0.203: J504.49 80.47,97.84 v2(80.97,97.34) ; J504.47 v2(80.97,97.34) ; v2(80.97,97.34) 80.47,96.84 J504.45 ; Q518.2 v1(57.08,52.77) ; R566.1 88.88,143.76 88.27,144.37 v1(87.73,144.37) ; v2(43.02,137.77) 43.02,136.9 42.93,136.8 C561.1
  BOTTOM w0.254: v1(27.25,123.72) 27.91,123.06 R592.1
  vias: v2(58.52,163.12) v2(59.46,163.73) v2(59.46,162.59) v2(90.2,96.9)
AUX_5V: length 13.5
  TOP w0.203: SH1.2 22.73,156.72 v1(22.73,156.16) ; SH1.2 v2(21.89,157.1) ; SH1.2 23.5,156.72 v1(23.5,156.16) ; SH1.2 v1(24.33,157.1)
  TOP w0.381: v2(70.83,45.72) 70.83,46.44 70.61,46.66 SH25.1 70.15,46.66 69.98,46.48 v2(69.98,45.72)
  L3_INT_1 w0.635: v1(8.89,134.75) 9.3,134.75 v1(10.11,133.93)
  BOTTOM w0.152: v1(39.36,66.05) U517.1 39.39,66.8 C754.1
  BOTTOM w0.254: v1(10.11,133.93) 9.08,133.93 R582.1 v1(8.89,134.75) ; R660.1 v2(36.83,69.6)
AUX_5V_EN: length 134.8
  TOP w0.119: v1(69.99,101.29) 69.7,101 69.7,101 69.54,100.83 68.57,100.83 67.98,100.24 65.8,100.24 63.79,102.25 63.59,102.25 63.23,102.61 62.67,102.61 U1.B16 ; 18.07,164.97 R7.1
  TOP w0.127: R7.1 18.89,164.97 19.09,165.17 19.09,165.31 19.31,165.53 19.92,165.53 20.23,165.22 U6.4 ; v1(17.84,165.19) 18.07,164.97
  L3_INT_1 w0.114: v1(69.99,101.29) 70.28,101.58 70.28,101.58 70.66,101.96 70.66,104.66 69.65,105.66 69.65,109.18 68.71,110.12 68.71,117.17 67.47,118.4 66.79,118.4 62.46,122.73 62.46,126.9 62.19,127.17 60.59,128.77 60.59,137.63 59.84,138.38 59.84,144.65 61.98,146.79 61.98,154.79 62.43,155.24 62.43,160.48 60.99,161.93 60.99,169.01 61.34,169.37 v1(61.34,169.93)
  L6_INT_2 w0.114: v1(61.34,169.93) 60.71,170.56 26.29,170.56 23.75,168.02 20.68,168.02 v1(17.84,165.19)
AUX_5V_FB: length 2.9
  TOP w0.127: U6.6 19.25,161.33 18.95,161.04 v1(18.95,160.53) R5.1
  BOTTOM w0.127: v1(18.95,160.53) 18.95,161.41 R543.2
AUX_5V_LX: length 1.3
  TOP w0.203: 21.23,164.9 U6.2 ; U6.1 21.73,164.96 21.74,164.97
  vias: v1(22.71,165.2)
AUX_5V_OUTS: length 2.2
  TOP w0.127: C9.1 v1(19.84,160.53) 20.23,160.92 U6.7
  BOTTOM w0.203: v1(19.84,160.53) 19.84,159.9 R540.2
AUX_5V_POUT: length 6.5
  TOP w0.203: 21.23,160.66 21.23,160.66 U6.9 ; 21.74,160.66 21.73,160.67 U6.10
  BOTTOM w0.203: R540.1 v2(21.49,159.89) 21.49,160.4 20.47,161.42 R543.1
  BOTTOM w0.254: v2(21.49,159.89) 21.49,159.31 21.31,159.13 C523.1
AUX_5V_SKIPB: length 1.4
  TOP w0.127: R4.1 U6.8
BAR_3V3: length 13.1
  TOP w0.305: C122.1 84.59,37.46 85.19,37.46 v1(85.34,37.62) U21.4 ; C120.1 83.54,41.52 v1(83.82,41.52) C119.1 85.32,41.52 85.47,41.37 U21.1 86.49,41.44 86.49,42.16 86.23,42.42 R201.2
  L3_INT_1 w0.508: v1(83.82,41.52) 84.21,41.52 84.58,41.15 84.58,38.38 v1(85.34,37.62)
BAR_CAP: length 1.9
  TOP w0.119: C121.1 84.59,39.88 v1(85.34,39.88) 85.59,40.12 U21.2
BAR_SCK: length 2
  TOP w0.119: U21.8 v1(89.53,41.37) 90.25,41.37 90.28,41.4 R202.2
BAR_SDA: length 1.6
  TOP w0.119: U21.7 v1(89.53,40.12) 89.75,40.12 89.76,40.13 R203.2
BARO_INT: length 61.6
  TOP w0.119: v1(63.37,43.05) 63.62,43.3 63.62,59.7 59.19,64.13 59.19,69.11 58.98,69.32 R167.1 ; U21.6 88.6,38.86 90.18,38.86 v1(90.17,38.86) 90.17,37.97 89.82,37.62 U21.5
  L6_INT_2 w0.114: v1(63.37,43.05) 72.56,43.05 73.32,42.29 86.13,42.29 89.56,38.86 89.75,38.86 89.76,38.86 v1(90.17,38.86)